# Altium PCB PA-HF_100W-VHF_60W.PcbDoc (part 1 of 3) (continued)
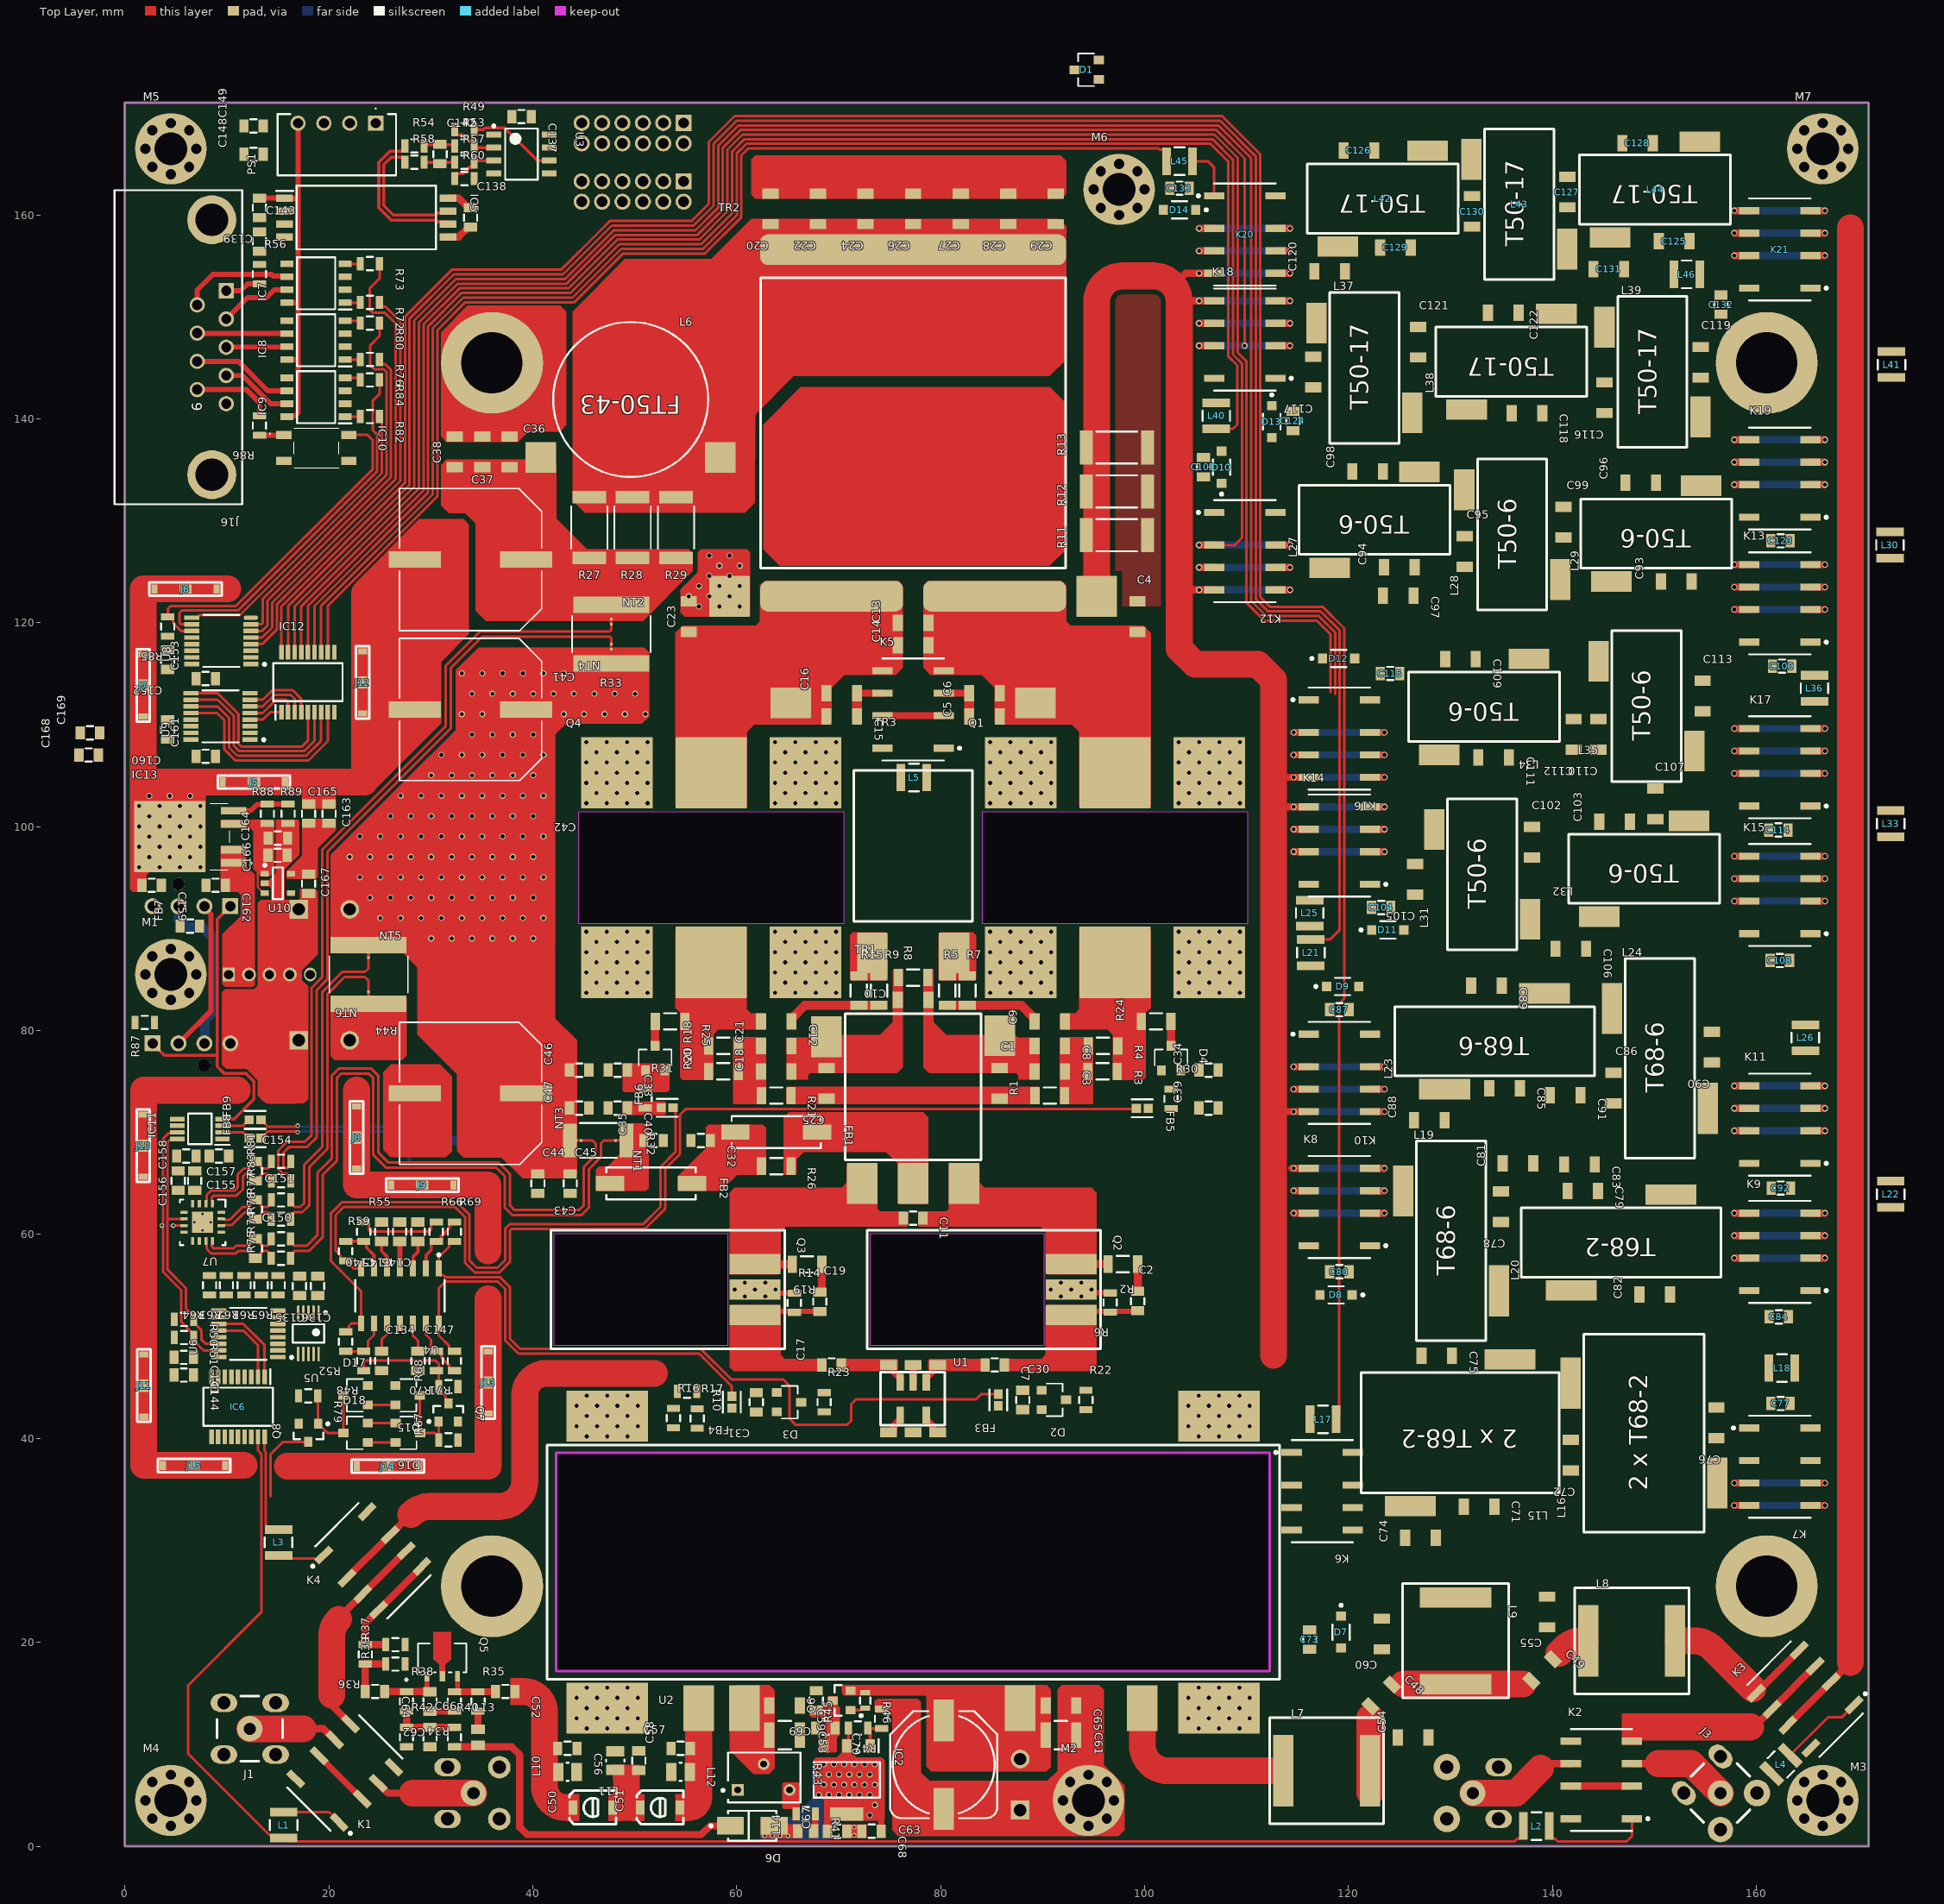
[diagram p0: Top Layer view]
## Components (designator, comment, footprint, x,y, rotation, side; value= is the part's Value field where it differs from the comment) (continued)
C68 "100nF 50V" C-0805 73.225,1.475 r0 top
C69 "1uF 50V" C-0805 67.8,14.3 r270 top
C70 "100nF 50V" C-0805 68.7,11.6 r0 top
C71 "680pF NP0 500V" C-1206 132.8,33.3 r0 top
C72 "270pF NP0 630V" C-1206 141.8,38.35 r270 top
C73 "100nF X7R 50V" C-0805 116.196,20.281 r270 top
C74 "560pF NP0 630V" C-1206 127.05,30.25 r180 top
C75 "2.2nF NP0 630V" C-1206 128.65,48.1 r0 top
C76 "1.5nF NP0 500V" C-1206 156.075,41.525 r270 top
C77 "100nF X7R 50V" C-0805 162.375,43.425 r0 top
C78 "330pF NP0 630V" C-1206 134.95,62.725 r270 top
C79 "100pF NP0 500V" C-1206 142.975,64.275 r0 top
C80 "100nF X7R 50V" C-0805 119.1,56.35 r180 top
C81 "910pF NP0 250V" C-1206 136.625,66.975 r180 top
C82 "1.5nF NP0 500V" C-1206 150.025,54.1 r180 top
C83 "560pF NP0 630V" C-1206 142.65,66.875 r0 top
C84 "100nF X7R 50V" C-0805 162.2,51.925 r180 top
C85 "270pF NP0 630V" C-1206 135.3,74.35 r0 top
C86 "68pF NP0 500V" C-1206 145.975,74.35 r90 top
C87 "100nF X7R 50V" C-0805 119.1,82.05 r0 top
C88 "270pF NP0 630V" C-1206 127.925,71.225 r180 top
C89 "560pF NP0 630V" C-1206 133.525,84.4 r0 top
C90 "330pF NP0 630V" C-1206 155.65,78.375 r270 top
C91 "47pF NP0 500V" C-1206 141.25,73.65 r0 top
C92 "100nF X7R 50V" C-0805 162.4,64.55 r180 top
C93 "120pF NP0 500V" C-1206 152.15,124.05 r180 top
C94 "27pF NP0 630V" C-1206 124.975,125.45 r180 top
C95 "130pF NP0 630V" C-1206 131.4,127 r90 top
C96 "33pF NP0 630V" C-1206 148.65,133.725 r180 top
C97 "91pF NP0 500V" C-1206 124.875,122.65 r0 top
C98 "240pF NP0 500V" C-1206 121.875,134.85 r180 top
C99 "220pF NP0 500V" C-1206 141.075,129.875 r90 top
C100 "100nF X7R 50V" C-0805 162.525,115.75 r0 top
C101 "100nF X7R 50V" C-0805 105.775,135.275 r90 top
C102 "47pF NP0 500V" C-1206 137.975,98.475 r90 top
C103 "22pF NP0 630V" C-1206 146.1,100.5 r180 top
C104 "100nF X7R 50V" C-0805 123.2,92.075 r0 top
C105 "91pF NP0 500V" C-1206 126.525,94.85 r270 top
C106 "220pF NP0 500V" C-1206 141.8,88.025 r0 top
C107 "150pF NP0 630V" C-1206 150.075,102.25 r90 top
C108 "100nF X7R 50V" C-0805 162.3,86.875 r180 top
C109 "33pF NP0 630V" C-1206 130.975,116.425 r0 top
C110 "10pF NP0 630V" C-1206 144.5,109.05 r270 top
C111 "47pF NP0 500V" C-1206 134.225,106.775 r0 top
C112 "130pF NP0 630V" C-1206 142.075,109.05 r270 top
C113 "62pF NP0 500V" C-1206 154.725,112.825 r90 top
C114 "100nF X7R 50V" C-0805 162.15,99.675 r0 top
C115 "100nF X7R 50V" C-0805 124.075,115.025 r180 top
C116 "10pF NP0 630V" C-1206 145.1,142.075 r270 top
C117 "15pF NP0 630V" C-1206 116.55,144.6 r270 top
C118 "10pF NP0 630V" C-1206 137.5,140.55 r0 top
C119 "22pF NP0 630V" C-1206 154.55,145.55 r90 top
C120 "15pF NP0 630V" C-1206 118.15,154.475 r180 top
C121 "75pF NP0 500V" C-1206 126.825,147.525 r90 top
C122 "75pF NP0 500V" C-1206 135.175,150.425 r180 top
C123 "100nF X7R 50V" C-0805 162.375,128.05 r180 top
C124 "100nF X7R 50V" C-0805 114.55,139.8 r270 top
C125 "6pF NP0 630V" C-1206 151.925,157.425 r0 top
C126 "8pF NP0 630V" C-1206 121.025,166.325 r0 top
C127 "6pF NP0 630V" C-1206 141.45,162.25 r270 top
C128 "18pF NP0 630V" C-1206 148.35,167.05 r180 top
C129 "8pF NP0 630V" C-1206 124.6,156.8 r180 top
C130 "56pF NP0 500V" C-1206 132.125,160.35 r270 top
C131 "56pF NP0 500V" C-1206 145.525,154.7 r0 top
C132 "100nF X7R 50V" C-0805 156.525,151.2 r90 top
C133 "100nF X7R 50V" C-0805 103.425,162.625 r180 top
C134 "1nF 50V" C-0805 25.183,47.6 r90 top
C135 "100nF 50V" C-0805 17.125,54.95 r270 top
C136 "22uF 6.3V" C-0805 18.9,54.95 r270 top
C137 "100nF 50V X7R" C-0805 38.9,169.65 r0 top
C138 "100nF 50V X7R" C-0805 33.9,159.75 r90 top
C139 "100nF 50V X7R" C-0805 13.2,160.7 r270 top
C140 "1nF 50V" C-0805 25.183,60.275 r270 top
C141 "100nF 50V" C-0805 5.775,47.95 r0 top
C142 "180pF NP0" C-0805 30.9,165.975 r90 top
C143 "?" C-0805 13.2,157.4 r90 top
C144 "22uF 6.3V" C-0805 5.775,46.225 r0 top
C145 "100nF 50V" C-0805 26.95,60.275 r270 top
C146 "1nF 50V" C-0805 28.742,60.275 r270 top
C147 "1nF 50V" C-0805 28.742,47.6 r90 top
C148 "100nF 50V" C-0805 12.617,165.955 r180 top
C149 "100nF 50V" C-0805 12.617,168.73 r180 top
C150 "10nF 50V" C-0805 12.8,58.625 r90 top
C151 "10nF 50V" C-0805 12.8,62.45 r90 top
C152 "100nF 50V" C-0805 4.2,116.375 r270 top
C153 "22uF 6.3V" C-0805 7.925,114.525 r180 top
C154 "10nF 50V" C-0805 12.8,66.225 r90 top
C155 "100nF 50V" C-0805 6.85,65.275 r270 top
C156 "22uF 6.3V" C-0805 5.225,65.275 r270 top
C157 "100nF 50V" C-0805 9.225,67.7 r180 top
C158 "22uF 6.3V" C-0805 6.025,67.7 r0 top
C159 "1uF 50V" C-0805 2.625,94.25 r0 top
C160 "100nF 50V" C-0805 4.2,109.525 r270 top
C161 "22uF 6.3V" C-0805 7.925,106.9 r180 top
C162 "100nF 50V" C-0805 8.9,94.25 r0 top
C163 "22uF 6.3V" C-0805 20.025,101.275 r270 top
C164 "100nF 50V" C-0805 15,98.875 r180 top
C165 "22uF 6.3V" C-0805 18.025,101.275 r270 top
C166 "22uF 6.3V" C-0805 14.975,97.2 r180 top
C167 "100nF 50V" C-0805 18.025,94.4 r90 top
C168 "10uF 50V" C-0805 -3.55,107.025 r180 top
C169 "100nF 50V" C-0805 -3.425,109.2 r180 top
D1 "BAT54C" SOT-23 94.325,174.25 r90 top
D2 "BAT54C" SOT-23 91.11,43.775 r270 top
D3 "BAT54C" SOT-23 65.125,43.55 r270 top
D4 "BAT54C" SOT-23 102.6,77.3 r0 top
D5 "BAT54C" SOT-23 52,77.3 r0 top
D6 "SS14" FP-403AE-MFG 61.525,2 r180 top
D7 "1N4148W-13-F" FP-SOD123-MFG 119.271,21.006 r270 top value=2pF
D8 "1N4148W-13-F" FP-SOD123-MFG 118.775,54.075 r180 top value=2pF
D9 "1N4148W-13-F" FP-SOD123-MFG 119.425,84.325 r0 top value=2pF
D10 "1N4148W-13-F" FP-SOD123-MFG 107.55,135.25 r90 top value=2pF
D11 "1N4148W-13-F" FP-SOD123-MFG 123.85,89.875 r0 top value=2pF
D12 "1N4148W-13-F" FP-SOD123-MFG 119.025,116.5 r0 top value=2pF
D13 "1N4148W-13-F" FP-SOD123-MFG 112.475,139.725 r270 top value=2pF
D14 "1N4148W-13-F" FP-SOD123-MFG 103.425,160.5 r180 top value=2pF
D15 "BAT54A" SOT-23 27.725,44.225 r270 top
D16 "BAT54A" SOT-23 27.75,40.55 r270 top
D17 "BAT54A" SOT-23 22.625,44.225 r90 top
D18 "BAT54A" SOT-23 22.625,40.55 r90 top
F1 "Fan" Fan_60x60x25mm 10.35,46.35 r270 bottom locked
F2 "Fan" Fan_60x60x25mm 10.35,126.35 r270 bottom locked
FB1 "28F0121-1SR-10" FP-28F0121-1SR-10-MFG 63.875,70.05 r0 top
FB2 "28F0121-1SR-10" FP-28F0121-1SR-10-MFG 51.6,65 r0 top
FB3 "BLM18HE152SN1D" FP-BLM18-0_15-t0_8-IPC_C 85.65,43.775 r270 top
FB4 "BLM18HE152SN1D" FP-BLM18-0_15-t0_8-IPC_C 59.525,43.55 r270 top
FB5 "BLM18HE152SN1D" FP-BLM18-0_15-t0_8-IPC_C 99.775,72.375 r0 top
FB6 "BLM18HE152SN1D" FP-BLM18-0_15-t0_8-IPC_C 53.175,72.425 r180 top
FB7 "0ZCE0050FF2E" C-0805 6.375,90.25 r180 top
FB8 "BLM18HE152SN1D" FP-BLM18-0_15-t0_8-IPC_C 12.775,69.45 r180 top
FB9 "BLM18HE152SN1D" FP-BLM18-0_15-t0_8-IPC_C 12.775,71.25 r180 top
H1 "HeatSink" HEATSINK_145X140X35 98.5,85.5 r270 bottom locked
IC1 "XT30U-M" XT30UM 17.05,91.897 r0 bottom
IC2 "AMS117" SOT229P700X180-4N 70.8,6.5 r270 top
IC3 "XT30U-M" XT30UM 87.8,3.55 r90 bottom
IC4 "XT30U-M" XT30UM 17.05,79.052 r0 bottom
IC5 "ACNT-H87A-000E" SOIC127P1661X403-8N 23.675,159.75 r0 top
IC6 "TBD62783AFNG_Z_" SOP65P640X155-18N 11.1,43.1 r270 top
IC7 "TLP2161_TP,F_" SOIC127P600X290-8N 18.75,153.3 r180 top
IC8 "TLP2161_TP,F_" SOIC127P600X290-8N 18.75,147.712 r180 top
IC9 "TLP2161_TP,F_" SOIC127P600X290-8N 18.75,142.125 r180 top
IC10 "KPC357NT0ATLD" KPC357NT0ATLD 18.775,137.15 r0 top
IC11 "EMC2101-ACZL-TR" SOP65P490X110-8N 7.35,70.35 r180 top
IC12 "TBD62783AFNG_Z_" SOP65P640X155-18N 17.95,114.175 r90 top
IC13 "BA00CC0WFP-E2" BA00CC0WFPE2 7.525,99.025 r90 top
J1 "RF BPF" 31-5431#1 12.25,11.525 r90 top
J2 "RX Bypass" 31-5431#2 34.185,5.215 r90 bottom locked
J3 "RF ATU" 31-5431#3 156.475,5.215 r225 top
J4 "RX Bypass" 31-5431#4 132.185,5.215 r270 bottom locked
J5 "SMT RFI Shield Clip" "SMT RFI Shield Clip" 12.65,104.375 r180 top
J6 "SMT RFI Shield Clip" "SMT RFI Shield Clip" 5.945,123.325 r180 top
J7 "SMT RFI Shield Clip" "SMT RFI Shield Clip" 1.8,113.85 r90 top
J8 "SMT RFI Shield Clip" "SMT RFI Shield Clip" 22.725,69.5 r90 top
J9 "SMT RFI Shield Clip" "SMT RFI Shield Clip" 29.158,64.85 r180 top
J10 "SMT RFI Shield Clip" "SMT RFI Shield Clip" 1.8,68.7 r90 top
J11 "SMT RFI Shield Clip" "SMT RFI Shield Clip" 1.875,45.175 r90 top
J12 "SMT RFI Shield Clip" "SMT RFI Shield Clip" 23.325,114.15 r270 top
J13 "SMT RFI Shield Clip" "SMT RFI Shield Clip" 35.625,45.475 r270 top
J14 "SMT RFI Shield Clip" "SMT RFI Shield Clip" 25.788,37.275 r180 top
J15 "SMT RFI Shield Clip" "SMT RFI Shield Clip" 6.775,37.35 r180 top
J16 "618009231221" 618009231221 5.25,147.025 r270 top locked
J17 "47053-1000" FP-47053-1000-MFG 6.525,79.125 r180 bottom
J18 "47053-1000" FP-47053-1000-MFG 6.525,91.825 r0 bottom
J19 "B5B-PH-K-S_LF__SN_" SHDR5W50P0X200_1X5_1190X450X600P 10.175,85.5 r180 bottom
J20 "DF11-12DP-2DSA_24_" SHDR12W60P200_2X6_1400X500X690P 54.8,163.3 r0 bottom
J21 "DF11-12DP-2DSA_24_" SHDR12W60P200_2X6_1400X500X690P 54.8,169.025 r0 bottom
K1 "2-1462037-3" TECO-2-1462037-3_V 21.575,7.175 r45 top
K2 "2-1462037-3" TECO-2-1462037-3_V 144.8,6.5 r90 top
K3 "2-1462037-3" TECO-2-1462037-3_V 164.775,14.425 r135 top
K4 "2-1462037-3" TECO-2-1462037-3_V 24.325,28 r315 top
K5 "2-1462037-3" TECO-2-1462037-3_V 77.3,111.5 r90 top locked
K6 "2-1462037-3" TECO-2-1462037-3_V 117.425,34.825 r270 top
K7 "2-1462037-3" TECO-2-1462037-3_V 162.3,37.225 r270 top
K8 "2-1462037-3" TECO-2-1462037-3_V 119.1,62.7 r90 top
K9 "2-1462037-3" TECO-2-1462037-3_V 162.3,58.3 r90 top
K10 "2-1462037-3" TECO-2-1462037-3_V 119.1,75.85 r270 top
K11 "2-1462037-3" TECO-2-1462037-3_V 162.3,70.775 r90 top
K12 "2-1462037-3" TECO-2-1462037-3_V 109.825,127.025 r270 top
K13 "2-1462037-3" TECO-2-1462037-3_V 162.3,121.9 r90 top
K14 "2-1462037-3" TECO-2-1462037-3_V 119.1,98.15 r90 top
K15 "2-1462037-3" TECO-2-1462037-3_V 162.3,93.3 r90 top
K16 "2-1462037-3" TECO-2-1462037-3_V 119.1,108.65 r270 top
K17 "2-1462037-3" TECO-2-1462037-3_V 162.3,105.825 r90 top
K18 "2-1462037-3" TECO-2-1462037-3_V 109.825,147.775 r90 top
K19 "2-1462037-3" TECO-2-1462037-3_V 162.3,134.15 r90 top
K20 "2-1462037-3" TECO-2-1462037-3_V 109.825,158.075 r270 top
K21 "2-1462037-3" TECO-2-1462037-3_V 162.3,156.625 r90 top
L1 "CBC3225T101MR" FP-CB3225-MFG 15.575,2.075 r270 top
L2 "CBC3225T101MR" FP-CB3225-MFG 138.425,1.975 r180 top
L3 "CBC3225T101MR" FP-CB3225-MFG 15.075,29.8 r90 top
L4 "CBC3225T101MR" FP-CB3225-MFG 162.4,8.025 r45 top
L5 "CBC3225T101MR" FP-CB3225-MFG 77.375,104.825 r0 top
L6 "FT-50-43" AMIDON_FT50_43 49.6,141.9 r180 top locked value="12T 1.0mm"
L7 "200nH" AirCoil_200nH 117.85,7.4 r90 top
L8 "200nH" AirCoil_200nH 147.775,20.15 r90 top
L9 "200nH" AirCoil_200nH 130.5,20.15 r0 top
L10 "8.2nH" L-0805 43.4,7.3 r180 top
L11 "8.2nH" L-0805 48.1,8.4 r270 top
L12 "8.2nH" L-0805 54.5,7.3 r0 top
L13 "BLM21AH102SN1D" INDC2013X105X50LL20T20 34.625,10.7 r90 top
L14 "BLM21AH102SN1D" INDC2013X105X50LL20T20 66.775,1.475 r180 top
L15 "17W 2xT68-2" AMIDON_2XT68_2 130.95,40.55 r180 top locked value=3.3uH
L16 "20W 2xT68-2" AMIDON_2XT68_2 148.975,40.525 r90 top locked value=4.5uH
L17 "CBC3225T101MR" FP-CB3225-MFG 117.5,41.875 r0 top
L18 "CBC3225T101MR" FP-CB3225-MFG 162.5,46.9 r180 top
L19 "19W T68-6" AMIDON_T68_6-SMD 130.05,59.375 r90 top locked value=1.74uH
L20 "19W T68-2" AMIDON_T68_2-SMD 146.725,59.225 r180 top locked value=1.8uH
L21 "CBC3225T101MR" FP-CB3225-MFG 116.3,87.65 r90 top
L22 "CBC3225T101MR" FP-CB3225-MFG 173.175,63.95 r270 top
L23 "13W T68-6" AMIDON_T68_6-SMD 134.325,78.95 r180 top locked value=0.925uH
L24 "16W T68-6" AMIDON_T68_6-SMD 150.525,77.275 r90 top locked value=1.26uH
L25 "CBC3225T101MR" FP-CB3225-MFG 116.2,91.525 r270 top
L26 "CBC3225T101MR" FP-CB3225-MFG 164.8,79.3 r270 top
L27 "12W T50-6" AMIDON_T50_6-SMD 122.55,130.1 r180 top locked value=0.57uH
L28 "11W T50-6" AMIDON_T50_6-SMD 136.05,128.65 r90 top locked value=0.48uH
L29 "10W T50-6" AMIDON_T50_6-SMD 150.175,128.75 r180 top locked value=0.4uH
L30 "CBC3225T101MR" FP-CB3225-MFG 173.1,127.625 r270 top
L31 "9W T50-6" AMIDON_T50_6-SMD 133.1,95.325 r90 top locked value=0.33uH
L32 "10W T50-6" AMIDON_T50_6-SMD 149,95.875 r180 top locked value=0.45uH
L33 "CBC3225T101MR" FP-CB3225-MFG 173.175,100.3 r270 top
L34 "8W T50-6" AMIDON_T50_6-SMD 133.3,111.75 r180 top value=0.231uH
L35 "9W T50-6" AMIDON_T50_6-SMD 149.225,111.825 r90 top value=0.298uH
L36 "CBC3225T101MR" FP-CB3225-MFG 165.7,113.575 r90 top
L37 "8W T50-17" AMIDON_T50_17-SMD 121.55,145 r90 top locked value=0.115uH
L38 "10W T50-17" AMIDON_T50_17-SMD 135.975,145.6 r180 top locked value=0.180uH
L39 "9W T50-17" AMIDON_T50_17-SMD 149.8,144.6 r90 top locked value=0.154uH
L40 "CBC3225T101MR" FP-CB3225-MFG 107.025,140.3 r270 top
L41 "CBC3225T101MR" FP-CB3225-MFG 173.25,145.325 r270 top
L42 "7W T50-17" Amidon_T50_17-smd 123.35,161.6 r180 top locked value=0.095uH
L43 "9W T50-17" Amidon_T50_17-smd 136.75,161.05 r90 top locked value=0.157uH
L44 "8W T50-17" Amidon_T50_17-smd 150.05,162.5 r180 top locked value=0.124uH
L45 "CBC3225T101MR" FP-CB3225-MFG 103.425,165.275 r180 top
L46 "CBC3225T101MR" FP-CB3225-MFG 153.175,154.175 r0 top
M1 "MountHole" MountHole 4.5,85.5 r90 top locked
M2 "MountHole" MountHole 94.5,4.5 r90 top locked
M3 "MountHole" MountHole 166.5,4.5 r90 top locked
M4 "MountHole" MountHole 4.5,4.5 r90 top locked
M5 "MountHole" MountHole 4.5,166.5 r90 top locked
M6 "MountHole" MountHole 97.5,162.5 r90 top
M7 "MountHole" MountHole 166.5,166.5 r90 top locked
NT1 "Net-Tie" Net-Tie_10mil 48.375,69.225 r0 top net-tie
NT2 "Net-Tie" Net-Tie_10mil 47.7,120.129 r90 top locked net-tie
NT3 "Net-Tie" Net-Tie_10mil 44.475,69.225 r180 top net-tie
NT4 "Net-Tie" Net-Tie_10mil 47.7,117.671 r270 top locked net-tie
NT5 "Net-Tie" Net-Tie_10mil 23.9,87.425 r90 top locked net-tie
NT6 "Net-Tie" Net-Tie_10mil 23.9,83.575 r270 top locked net-tie
PS1 "B1205S-1WR2" B1205S1WR2 24.6,169 r180 top
Q1 "RD100HHF1" RD100HHF1 97.1,96 r0 top locked
Q2 "RD16HHF1" RD16HHF1 81.6,54.6 r0 top locked
Q3 "RD16HHF1" RD16HHF1 50.6,54.6 r0 top locked
Q4 "RD100HHF1" RD100HHF1 57.5,96 r0 top locked
Q5 "RD01MUS1" RD01MUS2_MTS 31.125,18.478 r0 top
Q6 "IRLML9301TRPBF" INF-SOT-23-3_V 70.3,14.3 r180 top
Q7 "IRLML0030TRPBF" INTR-SOT-23-3_V 31.725,42.55 r0 top
Q8 "IRLML0030TRPBF" INTR-SOT-23-3_V 18,40.55 r180 top
Q9 "PZT3904" FAIR-SOT223-4_V 30.925,69.225 r0 bottom
R1 "2.2k 1%" R-1206 90.7,73.625 r180 top
R2 "430R" R-1206 97.875,57.1 r180 top
R3 "4.7R 1%" R-1206 95.875,76 r0 top
R4 "4.7R 1%" R-1206 95.925,78.5 r0 top
R5 "22R 1%" R-1206 80.65,83.925 r90 top
R6 "2.2k 1%" R-0805 96.625,53.325 r270 top
R7 "22R 1%" R-1206 82.625,83.925 r90 top
R8 "100R" R-1206 77.3,85.2 r0 top
R9 "22R 1%" R-1206 73.95,83.925 r90 top
R10 "12R 1%" R-0805 55.125,44.625 r0 top
R11 "2K 5% 2512(6432)" RESC2512(6432)_N 97.283,128.591 r180 top value="2000.00 Ohm"
R12 "2K 5% 2512(6432)" RESC2512(6432)_N 97.283,132.891 r180 top value="2000.00 Ohm"
R13 "2K 5% 2512(6432)" RESC2512(6432)_N 97.283,137.191 r180 top value="2000.00 Ohm"
R14 "2.2k 1%" R-0805 65.65,53.3 r90 top
R15 "22R 1%" R-1206 71.975,83.925 r90 top
R16 "430R 1%" R-0805 53.8,42 r90 top
R17 "430R 1%" R-0805 56.125,41.95 r90 top
R18 "4.7R 1%" R-1206 58.7,78.5 r180 top
R19 "430R" R-1206 66.9,57.075 r180 top
R20 "4.7R 1%" R-1206 58.7,76 r180 top
R21 "2.2k 1%" R-1206 63.875,73.625 r0 top
R22 "100R 1%" R-0805 94.25,43.775 r90 top
R23 "100R 1%" R-0805 68.575,43.55 r90 top
R24 "22R 1%" R-1206 101.125,80.9 r180 top
R25 "22R 1%" R-1206 53.475,80.9 r0 top
R26 "22R 1%" R-1206 63.875,66.7 r0 top
R27 "CRM2512-JW-4R7ELF" BO_CR2512 45.541,129.342 r90 top locked
R28 "CRM2512-JW-4R7ELF" BO_CR2512 49.791,129.342 r90 top locked
R29 "CRM2512-JW-4R7ELF" BO_CR2512 54.041,129.342 r90 top locked
R30 "100R 1%" R-0805 102.6,73.3 r90 top
R31 "100R 1%" R-0805 51.025,73.375 r90 top
R32 "CRA2512-FZ-R020ELF" FP-CRA2512-IPC_C 46.425,69.225 r0 top
R33 "CSSH2728FT5L00" STA_CSSH2728_STP 47.7,118.9 r90 top locked
R34 "750R 1%" R-0805 32.325,14.2 r270 top
R35 "470R 1%" R-0805 34.625,14.2 r90 top
R36 "12R 1%" R-0805 23.575,18.825 r270 top
R37 "430R 1%" R-0805 26.525,19.775 r180 top
R38 "56R 1%" R-0805 27.625,14.2 r90 top
R39 "430R 1%" R-0805 26.525,17.875 r180 top
R40 "6.8k 1%" R-0805 32.325,10.7 r90 top
R41 "1k 1%" R-0805 66.775,3.175 r0 top
R42 "2.7k 1%" R-0805 27.625,10.7 r90 top
R43 "3266W-1-102LF" FP-3266W-MFG 62.7,6.75 r0 top value=10kΩ
R44 "CSSH2728FT5L00" STA_CSSH2728_STP 23.9,85.5 r270 top locked
R45 "100R 1%" R-0805 71.9,11.6 r180 top
R46 "30k" R-0603 72.6,14.3 r270 top
R47 "620R 1%" R-0805 74.2,12.5 r270 top
R48 "6.49k 1%" R-0805 23.417,47.6 r270 top
R49 "4.7k" R-0805 33.3,168.375 r0 top
R50 "10k 1%" R-0805 5.8,51.675 r0 top
R51 "10k 1%" R-0805 5.8,49.9 r0 top
R52 "10k 1%" R-0805 21.65,49.5 r270 top
R53 "4.7k" R-0805 33.3,166.775 r0 top
R54 "4.7k" R-0805 28.4,166.775 r0 top
R55 "6.49k 1%" R-0805 23.417,60.275 r90 top
R56 "?" R-0805 13.2,154.2 r90 top
R57 "4.7k" R-0805 33.3,165.175 r0 top
R58 "4.7k" R-0805 28.4,165.175 r0 top
R59 "10k 1%" R-0805 21.65,58.375 r90 top
R60 "4.7k" R-0805 33.3,163.575 r0 top
R61 "10k 1%" R-0805 13.356,55.025 r270 top
R62 "10k 1%" R-0805 11.688,55.025 r270 top
R63 "10k 1%" R-0805 9.95,55.025 r270 top
R64 "10k 1%" R-0805 8.3,55.025 r270 top
R65 "10k 1%" R-0805 15.025,55.025 r270 top
R66 "6.49k 1%" R-0805 30.533,60.275 r90 top
R67 "150k 1%" R-0805 31.725,39.85 r180 top
R68 "3.3k 1%" R-0805 31.725,45.075 r180 top
R69 "10k 1%" R-0805 32.325,60.275 r90 top
R70 "6.49k 1%" R-0805 30.533,47.6 r270 top
R71 "10k 1%" R-0805 32.325,47.6 r270 top
R72 "330R 1%" R-0805 24.025,151.425 r0 top
R73 "330R 1%" R-0805 24.025,155.225 r0 top
R74 "12R 1%" R-0805 15.3,59.575 r180 top
R75 "12R 1%" R-0805 15.3,57.675 r180 top
R76 "330R 1%" R-0805 24.025,145.825 r0 top
R77 "12R 1%" R-0805 15.325,63.4 r180 top
R78 "12R 1%" R-0805 15.3,61.5 r180 top
R79 "150k 1%" R-0805 17.975,44.175 r0 top
R80 "330R 1%" R-0805 24.025,149.4 r0 top
R81 "12R 1%" R-0805 15.325,67.175 r180 top
R82 "330R 1%" R-0805 24.025,140.225 r0 top
R83 "12R 1%" R-0805 15.325,65.275 r180 top
R84 "330R 1%" R-0805 24.025,143.825 r0 top
R85 "10k 1%" R-0805 4.2,119.625 r270 top
R86 "330R 1%" R-0805 13.2,139.35 r270 top
R87 "10k 1%" R-0805 1.95,80.8 r180 top
R88 "10k 1%" R-0805 13.975,101.275 r270 top
R89 "3.3k 1%" R-0805 16,101.275 r270 top
TR1 "BN43-202 3+3T:3T" BN43-202 77.3,74.5 r0 top locked
TR2 "BN61-002 1T:4T" BN61-002 77.3,139.6 r0 top locked
TR3 "FT82-43 13+13T:1T" AMIDON_FT82-43 77.3,98.125 r90 top locked
U1 "MABAES0060" TRANSF_ACORE2 77.3,43.9 r270 top locked
U2 "RA80H1415M1" RA80H1415M1 77.3,29.7 r0 top locked
U3 "OPA376AIDR" D0008A_N 38.9,165.975 r0 top
U4 "TLV9064IDR" FP-D0014A-MFG 26.975,53.975 r270 top
U5 "MCP4728T-E/UN" MSOP-UN10_L 18,50.3 r270 top
U6 "TCA9534APWR" FP-PW0016A-MFG#1 12.1,50.25 r180 top
U7 "INA3221AIRGVR" RGV0016A_V 7.625,61.2 r270 top
U8 "TCA9534APWR" FP-PW0016A-MFG#2 9.45,118.225 r180 top
U9 "TCA9534APWR" FP-PW0016A-MFG#1 9.368,110.826 r180 top
U10 "TPS79333DBVR" DBV0005A_L 15,94.45 r0 top

## Footprints (in the part's own frame and the unit in brackets; to place one, negate y for a bottom-side part, rotate by r counter-clockwise, add the part's x,y. Pads: shape width x height; smd on the part's side, far side on the other; paste and mask are expansions set on the pad)
31-5431#1 [mm]
  oval 1.8x2.6 hole 1.3: 1(-2.54,-2.54) 2(2.54,-2.54) 3(2.54,2.54) 4(-2.54,2.54)
  round 2.5 hole 1.2: 5(0,0)
  silkscreen extent -3.2,-3.2 3.2,3.2, body extent -3.04,-3.04 3.04,3.04, height 9
31-5431#2 [mm]
  oval 1.8x2.6 hole 1.3: 1(-2.54,-2.54) 2(2.54,-2.54)
  round 2.2 hole 1.3: 3(2.54,2.54) 4(-2.54,2.54)
  round 2.5 hole 1.2: 5(0,0)
  silkscreen extent -3.2,-3.2 3.2,3.2, body extent -3.04,-3.04 3.04,3.04, height 9
31-5431#3 [mm]
  oval 1.8x2.6 hole 1.3: 1(-2.54,-2.54) 2(2.54,-2.54)
  round 2.5 hole 1.3: 3(2.54,2.54)
  round 2.6 hole 1.3: 4(-2.54,2.54)
  round 2.5 hole 1.2: 5(0,0)
  silkscreen extent -3.2,-3.2 3.2,3.2, body extent -3.04,-3.04 3.04,3.04, height 9
31-5431#4 [mm]
  oval 1.8x2.6 hole 1.3: 1(-2.54,-2.54) 2(2.54,-2.54)
  round 2.6 hole 1.3: 3(2.54,2.54) 4(-2.54,2.54)
  round 2.5 hole 1.2: 5(0,0)
  silkscreen extent -3.2,-3.2 3.2,3.2, body extent -3.04,-3.04 3.04,3.04, height 9
618009231221 [mm] "9 pins, right angled, 8.08mm, with hex screw"
  rect 1.5x1.5 hole 1: 1(-5.54,4.69)
  round 1.5 hole 1: 2(-2.77,4.69) 3(0,4.69) 4(2.77,4.69) 5(5.54,4.69) 6(-4.155,1.85) 7(-1.385,1.85) 8(1.385,1.85) 9(4.155,1.85)
  round 4.8 hole 3.2: M1(-12.5,3.27) M2(12.5,3.27)
  silkscreen extent -15.4,-6.25 15.4,6.25, body extent -15.4,-12.25 15.4,6.25, height 12.55
AirCoil_200nH [mm]
  rect 7x2 smd: 1(0,4.25) 2(0,-4.25)
  silkscreen extent -5.2,-5.6 5.2,5.6, body extent -5,-4.62 5,4.62, height 11
AMIDON_2XT68_2 [mm]
  rect 5x2 smd: 1(4.9,7.2) 2(-4.9,-7.2)
  silkscreen extent -9.7,-5.9 9.7,5.9, body extent -8.75,-4.84 8.75,4.84, height 17.55
AMIDON_FT50_43 [mm] "FT50-6x"
  rect 3x3 smd: 1(8.8,5.7) 2(-8.8,5.7)
  silkscreen extent -7.6,-7.6 7.6,7.6, body extent -6.35,-6.35 6.35,6.35, height 5.83
AMIDON_FT82-43 [mm]
  rect 4x3 smd: 1(-10.5,4) 2(-10.5,-4)
  rect 3x4 smd: 3(14,12) 4(14,-12)
  silkscreen extent -7.4,-5.8 7.4,5.8, body extent -6.35,-4.83 6.35,4.83, height 12.85
AMIDON_T50_6-SMD [mm]
  rect 4x2 smd: 1(4.4,4.7) 2(-4.4,-4.7)
  silkscreen extent -7.4,-3.4 7.4,3.4, body extent -6.35,-2.41 6.35,2.42, height 12.75
AMIDON_T50_17-SMD [mm]
  rect 4x2 smd: 1(4.4,4.7) 2(-4.4,-4.7)
  silkscreen extent -7.4,-3.4 7.4,3.4, body extent -6.35,-2.41 6.35,2.42, height 12.75
Amidon_T50_17-smd [mm]
  rect 4x2 smd: 1(4.4,4.7) 2(-4.4,-4.7)
  silkscreen extent -7.4,-3.4 7.4,3.4, body extent -6.35,-2.41 6.35,2.42, height 12.75
AMIDON_T68_2-SMD [mm]
  rect 5x2 smd: 1(4.9,4.7) 2(-4.9,-4.7)
  silkscreen extent -9.8,-3.4 9.8,3.4, body extent -8.75,-2.41 8.75,2.42, height 17.55
AMIDON_T68_6-SMD [mm]
  rect 5x2 smd: 1(4.9,4.7) 2(-4.9,-4.7)
  silkscreen extent -9.8,-3.4 9.8,3.4, body extent -8.75,-2.4 8.75,2.43, height 17.55
B1205S1WR2 [mm]
  rect 1.5x1.5 hole 1: 1(0,0)
  round 1.5 hole 1: 2(2.54,0) 3(5.08,0) 4(7.62,0)
  silkscreen extent -1.99,-1.5 9.61,5.1, body extent -1.99,-0.9 9.61,5.1, height 10.51
BA00CC0WFPE2 [mm]
  rect 0.76x2.5 smd: 1(-2.54,-3.125) 2(-1.27,-3.125) 4(1.27,-3.125) 5(2.54,-3.125)
  rect 7x7 smd: 3(0,3.125)
  silkscreen extent -3.25,-4.9 3.25,-0.8
BN43-202 [mm]
  rect 3x4 smd: 1(-8.5,4.9) 2(8.5,5) 3(-5,-9.5) 4(5,-9.5) 5(0,-9.5)
  silkscreen extent -6.65,-7.17 6.65,7.17, body extent -6.65,-7.17 6.65,7.17, height 7.5
BN61-002 [mm]
  rect 4x4 smd: 1(-18,-17) 2(18,-17)
  rrect50% 14x3 smd: 3(-8,-17) 4(8,-17)
  rrect50% 30x3 smd: 5(0,17)
  silkscreen extent -14.97,-14.23 14.97,14.23, body extent -15.1,-14.35 15.1,14.35, height 15
BO_CR2512 [mil]
  rect 48x130 smd paste+0 mask+0: 1(-118,0) 2(118,0)
  silkscreen extent -82,-70 82,70, body extent -128,-65 128,65, height 30
C-0805 [mm] "Surface-Mount Multilayer Chip Capacitor, Body 2 x 1.25 mm (L x W)"
  rect 0.9x1.3 smd: 1(-0.95,0) 2(0.95,0)
  Top Layer pour cut-out: -0.5,0.65 0.5,0.65 0.5,-0.65 -0.5,-0.65
  silkscreen extent -0.3,-0.65 0.3,0.65, body extent -1,-0.62 1,0.63, height 0.78
C-1206 [mm] "Surface-Mount Multilayer Chip Capacitor, Body 3.2 x 1.6 mm (L x W)"
  rect 1x1.6 smd: 1(-1.5,0) 2(1.5,0)
  Top Layer pour cut-out: -1,0.8 1,0.8 1,-0.8 -1,-0.8
  body extent -1.6,-0.8 1.6,0.8, height 1
CAP-ADJ-SMD_L4.5-W3.2-L [mm]
  rect 0.85x1.4 smd: 1(1.95,0) 2(-1.95,0)
  Top Layer pour cut-out: -1.525,1.65 1.525,1.65 1.525,-1.65 -1.525,-1.65
  silkscreen extent -2.25,-1.65 2.29,1.65
CAP_PAN_EEE_H13_PAN [mil]
  rect 201x63 smd paste+0 mask+0: 1(-215,0) 2(215,0)
  silkscreen extent -274,-274 275,275, body extent -296,-269 296,269, height 553
D0008A_N [mm] "SOIC, 8-Leads, Body 5x4mm, Pitch 1.27mm, IPC Medium Density"
  rrect17% 1.45x0.6 smd: 1(-2.725,1.905) 2(-2.725,0.635) 3(-2.725,-0.635) 4(-2.725,-1.905) 5(2.725,-1.905) 6(2.725,-0.635) 7(2.725,0.635) 8(2.725,1.905)
  silkscreen extent -2.85,-2.5 1.6,2.88, body extent -3,-2.45 3,2.45, height 1.63
DBV0005A_L [mm] "SOT23, 5-Leads, Body 3.05x1.75mm, Pitch 0.95mm, IPC High Density"
  rrect18% 0.8x0.55 smd: 1(-1.275,0.95) 2(-1.275,0) 3(-1.275,-0.95) 4(1.275,-0.95) 5(1.275,0.95)
  silkscreen extent -1.4,-1.55 0.5,1.9, body extent -1.42,-1.46 1.42,1.46, height 1.08
FAIR-SOT223-4_V [mm] "SOT223, 4-Leads, Body 6.7x3.7mm, Pitch 2.3mm"
  rect 1.9x0.95 smd: 1(-3.05,2.3) 2(-3.05,0) 3(-3.05,-2.3)
  rect 1.9x3.25 smd: 4(3.05,0)
  silkscreen extent -3.17,-3.35 1.8,3.45, body extent -3.5,-3.35 3.5,3.35, height 1.8
Fan_60x60x25mm [mm]
  silkscreen extent -29.4,-14.9 31.1,10.6, body extent -29.15,-14.65 30.85,10.35, height 59.88
FP-28F0121-1SR-10-MFG [mm]
  rect 2.77x1.47 smd paste+0 mask+0: 1(-4.015,0) 2(4.015,0)
  silkscreen extent -4.37,-1.57 4.37,1.57, body extent -5.5,-1.67 5.5,1.67, height 0.25
FP-403AE-MFG [mm]
  rect 2.65x1.75 smd paste+0 mask+0: 1(-2.15,0) 2(2.15,0)
  silkscreen extent -2.37,-1.48 4.17,1.48, body extent -3.57,-1.58 3.57,1.58, height 0.25
FP-1210-L_3_3_0_4-W_2_5_0-MFG [mm]
  rect 1x2.5 smd paste+0 mask+0: 1(-1.5,0) 2(1.5,0)
  silkscreen extent -0.62,-1.4 0.62,1.4, body extent -2.1,-1.5 2.1,1.5, height 0.25
FP-3266W-MFG [mm]
  rect 1.15x1.15 hole 0.65 paste-1000 mask+0: 1(-2.595,-1.23)
  round 1.15 hole 0.65 paste-1000 mask+0: 2(-0.055,1.31) 3(2.485,-1.23)
  silkscreen extent -4.17,-2.44 3.54,2.44, body extent -3.64,-2.54 3.64,2.54, height 0.25
FP-47053-1000-MFG [mm]
  rect 1.57x1.57 hole 1.02 paste-1000 mask+0: 1(3.81,-0.38)
  round 1.57 hole 1.02 paste-1000 mask+0: 2(1.27,-0.38) 3(-1.27,-0.38) 4(-3.81,-0.38)
  round 1.25 hole 1.25 unplated paste-1000 mask+0: ""(-1.27,-2.54)
  silkscreen extent -5.2,-3.02 5.92,3.02, body extent -5.1,-2.92 5.1,2.92, height 10
FP-BLM18-0_15-t0_8-IPC_C [mm]
  rect 0.906x0.858 smd paste+0 mask+0: 1(-0.576,0) 2(0.576,0)
  silkscreen extent -1.03,-0.87 1.03,0.87, body extent -1.13,-0.58 1.13,0.58, height 0.25
FP-CB3225-MFG [mm]
  rect 0.85x2.7 smd paste+0 mask+0: 1(-1.275,0) 2(1.275,0)
  silkscreen extent -0.48,-1.35 0.48,1.35, body extent -1.8,-1.45 1.8,1.45, height 0.25
FP-CRA2512-IPC_C [mm]
  rect 1.356x3.306 smd paste+0 mask+0: 1(-2.775,0) 2(2.775,0)
  silkscreen extent -1.8,-1.7 1.8,1.7, body extent -3.55,-1.8 3.55,1.8, height 0.25
FP-D0014A-MFG [mm]
  rect 1.55x0.6 smd paste-1000 mask+0: 1(-2.7,3.81) 2(-2.7,2.54) 3(-2.7,1.27) 4(-2.7,0) 5(-2.7,-1.27) 6(-2.7,-2.54) 7(-2.7,-3.81) 8(2.7,-3.81) 9(2.7,-2.54) 10(2.7,-1.27) 11(2.7,0) 12(2.7,1.27) 13(2.7,2.54) 14(2.7,3.81)
  silkscreen extent -4.15,-4.38 1.55,4.38, body extent -3.57,-4.62 3.57,4.62, height 0.25
FP-PW0016A-MFG#1 [mm]
  rrect22% 1.5x0.45 smd paste+0 mask+0: 1(-2.9,2.275) 2(-2.9,1.625) 3(-2.9,0.975) 4(-2.9,0.325) 5(-2.9,-0.325) 6(-2.9,-0.975) 7(-2.9,-1.625) 8(-2.9,-2.275) 9(2.9,-2.275) 10(2.9,-1.625) 11(2.9,-0.975) 12(2.9,-0.325) 13(2.9,0.325) 14(2.9,0.975) 15(2.9,1.625) 16(2.9,2.275)
  silkscreen extent -4.38,-2.55 1.78,2.55, body extent -3.75,-2.8 3.75,2.8, height 0.25
FP-PW0016A-MFG#2 [mm]
  rrect22% 1.5x0.45 smd paste+0 mask+0: 1(-2.9,2.275) 2(-2.9,1.625) 3(-2.9,0.975) 4(-2.9,0.325) 5(-2.9,-0.325) 6(-2.9,-0.975) 7(-2.9,-1.625) 9(2.9,-2.275) 10(2.9,-1.625) 11(2.9,-0.975) 12(2.9,-0.325) 13(2.9,0.325) 14(2.9,0.975) 15(2.9,1.625) 16(2.9,2.275)
  oct 1.4x0.45 smd paste+0 mask+0: 8(-2.9,-2.275)
  silkscreen extent -4.38,-2.55 1.78,2.55, body extent -3.75,-2.8 3.75,2.8, height 0.25
FP-SOD123-MFG [mm]
  rect 0.9x0.95 smd paste+0 mask+0: 1(-1.575,0) 2(1.575,0)
  silkscreen extent -2.75,-0.85 0.75,0.85, body extent -2.12,-0.95 2.12,0.95, height 0.25
HEATSINK_145X140X35 [mm]
  round 10 hole 6 unplated: 1(-60,-62.5) 1(-60,62.5) 1(60,-62.5) 1(60,62.5)
  body extent -70,-72.5 70,72.5, height 35.99
INDC2013X105X50LL20T20 [mm] "Chip Inductor, 2-Leads, Body 2.2x1.45mm, IPC High Density"
  rect 0.93x1.37 smd: 1(-0.785,0) 2(0.785,0)
  body extent -1.1,-0.72 1.1,0.72, height 1.05
INF-SOT-23-3_V [mm] "SOT23, 3-Leads, Body 3.04x1.4mm, Pitch 0.95mm"
  rect 0.972x0.802 smd: 1(-0.885,0.95) 2(-0.885,-0.95) 3(0.885,0)
  silkscreen extent -2.02,-1.5 0.7,1.62, body extent -1.32,-1.52 1.32,1.52, height 1.12
INTR-SOT-23-3_V [mm] "SOT23, 3-Leads, Body 2.92x1.3mm, Pitch 1.9mm"
  rect 0.802x0.972 smd: 1(-0.95,-0.885) 2(0.95,-0.885) 3(0,0.885)
  silkscreen extent -2.03,-1.01 1.46,0.64, body extent -1.46,-0.65 1.46,0.65, height 1.12
KPC357NT0ATLD [mm]
  rect 1.5x0.8 smd: 1(-3.175,1.27) 2(-3.175,-1.27) 3(3.175,-1.27) 4(3.175,1.27)
  silkscreen extent -4.6,-1.95 2.2,1.95
L-0805 [mm]
  rect 1.02x1.78 smd: 1(-0.9,0) 2(0.9,0)
  Top Layer pour cut-out: -0.4,0.9 0.4,0.9 0.4,-0.9 -0.4,-0.9
  silkscreen extent -0.1,-0.9 0.1,0.9, body extent -1.05,-0.79 1.05,0.79, height 0.88
MountHole [mm]
  round 0.8 hole 1: 1(-2.5,0) 1(-1.8,-1.8) 1(-1.8,1.8) 1(0,2.5) 1(0,-2.5) 1(1.8,-1.8) 1(1.8,1.8) 1(2.5,0)
  round 7 hole 3.2: 1(0,0)
MSOP-UN10_L [mm] "TSSOP, 10-Leads, Body 3x3mm, Pitch 0.5mm, IPC High Density"
  oval 1.45x0.25 smd: 1(-2.025,1) 2(-2.025,0.5) 3(-2.025,0) 4(-2.025,-0.5) 5(-2.025,-1) 6(2.025,-1) 7(2.025,-0.5) 8(2.025,0) 9(2.025,0.5) 10(2.025,1)
  silkscreen extent -2.15,-1.55 0.9,1.8, body extent -1.55,-1.55 1.55,1.55, height 1.1
Net-Tie_10mil [mil]
  rect 10x10 smd paste-5 mask-5: 1(-10,0) 2(10,0)
  Top Layer region: -6,5 6,5 6,-5 -6,-5
R-0603 [mm] "Thin Film, Rectangular Resisitor Chip, Body 1.6 x 0.9 mm (L x W)"
  rect 0.5x1 smd: 1(-0.75,0) 2(0.75,0)
  Top Layer pour cut-out: -0.5,0.5 0.5,0.5 0.5,-0.5 -0.5,-0.5
  silkscreen extent -0.3,-0.5 0.3,0.5, body extent -0.8,-0.4 0.8,0.4, height 0.45
R-0805 [mm] "Thin Film, Rectangular Resisitor Chip, Body 2 x 1.2 mm (L x W)"
  rect 0.7x1.3 smd: 1(-0.95,0) 2(0.95,0)
  Top Layer pour cut-out: -0.6,0.65 0.6,0.65 0.6,-0.65 -0.6,-0.65
  silkscreen extent -0.3,-0.65 0.3,0.65, body extent -1,-0.62 1,0.62, height 0.6
R-1206 [mm] "Thin Film, Rectangular Resisitor Chip, Body 3.2 x 1.6 mm (L x W)"
  rect 0.9x1.7 smd: 1(-1.45,0) 2(1.45,0)
  Top Layer pour cut-out: -1,0.85 1,0.85 1,-0.85 -1,-0.85
  silkscreen extent -0.6,-0.8 0.6,0.8, body extent -1.6,-0.8 1.6,0.8, height 0.6
RA80H1415M1 [mm]
  rect 3x4.5 smd: 1(-21.025,-16.15) 2(-16.525,-16.15) 3(10.475,-16.15) 4(22.475,-16.15)
  rect 8x5 smd: 5(-30,-16.15) 5(-30,12.5) 5(30,-16.15) 5(30,12.5)
  Keep-Out Layer board cut-out: -35.025,8.9 34.975,8.9 34.975,-12.5 -35.025,-12.5
  Keep-Out Layer lines w0.254: -35.025,-12.5 -35.025,8.9 34.975,8.9 34.975,-12.5 -35.025,-12.5
  silkscreen extent -35.9,-13.32 35.93,9.65, body extent -33.5,-17.4 33.5,8, height 6.8
RD01MUS2_MTS [mil]
  rect 22x40 smd paste+0 mask+0: 1(0,-71)
  rect 19x40 smd paste+0 mask+0: 2(-59.06,-71) 3(59.06,-71)
  Top Layer region: 11,-51 -11,-51 -11,-26 -34.5,-4.5 -34.5,100 34.5,100 34.5,-4.5 11,-27
  silkscreen extent -143,-89 94,56, body extent 0,0 10,10, height 10
RD16HHF1 [mm]
  rect 5x2 smd: 1(11.2,0) 2(11.2,-2.5) 3(11.2,2.5)
  Keep-Out Layer board cut-out: -8.5,5.5 8.5,5.5 8.5,-5.5 -8.5,-5.5
  silkscreen extent -8.8,-5.8 14.1,5.8, body extent -7.8,-4.75 12.5,4.75, height 1.4
RD100HHF1 [mm]
  rect 7x7 smd: 1(-9.25,-9.3) 1(-9.25,9.3) 1(9.25,-9.3) 1(9.25,9.3) 2(0,-9.3) 3(0,9.3)
  Keep-Out Layer board cut-out: -13,-5.5 -13,5.5 13,5.5 13,-5.5
  body extent -12.5,-12 12.5,12, height 3.1
RESC2512(6432)_N [mm] "Chip Resistor, Body 6.4x3.2mm, IPC Medium Density"
  rect 1.25x3.35 smd: 1(-3,0) 2(3,0)
  silkscreen extent -2,-1.57 2,1.58, body extent -3.25,-1.7 3.25,1.7, height 0.75
RGV0016A_V [mm] "QFN, 16-Leads, Body 4x4mm, Pitch 0.65mm, Thermal Pad 2.16x2.16mm, TI Recommended"
  rrect33% 0.75x0.3 smd: 1(-1.825,0.975) 2(-1.825,0.325) 3(-1.825,-0.325) 4(-1.825,-0.975) 9(1.825,-0.975) 10(1.825,-0.325) 11(1.825,0.325) 12(1.825,0.975)
  rrect33% 0.3x0.75 smd: 5(-0.975,-1.825) 6(-0.325,-1.825) 7(0.325,-1.825) 8(0.975,-1.825) 13(0.975,1.825) 14(0.325,1.825) 15(-0.325,1.825) 16(-0.975,1.825)
  rrect11% 0.939x0.939 on Top Paste: 17(-0.57,0.57) 17(-0.57,-0.57) 17(0.57,0.57) 17(0.57,-0.57)
  rrect5% 2.1x2.1 smd paste-1.08: 17(0,0)
  silkscreen extent -2.22,-2.22 2.22,2.22, body extent -2.07,-2.07 2.07,2.07, height 1.01
SHDR5W50P0X200_1X5_1190X450X600P [mm]
  rect 1.2x1.35 hole 0.9: 1(0,0)
  round 1.35 hole 0.9: 2(-2,0) 3(-4,0) 4(-6,0)
  oval 1.2x1.35 hole 0.9: 5(-8,0)
  silkscreen extent -9.95,-1.7 1.95,2.8, body extent -9.95,-2.25 1.95,2.25, height 6